# Altium PCB AMP.PcbDoc (part 5 of 5)
Units mil, origin at the board's own origin, x right, y up, seen from the top; angles counter-clockwise.
Board outline 6850 x 4750 mil, 6 copper layers (Top Layer, InternalPlane1, MidLayer1, InternalPlane2, InternalPlane3, Bottom Layer); 484 components, 340 nets, 1840 pads, 888 vias.
Unrouted connection lines stored in the file: 22.
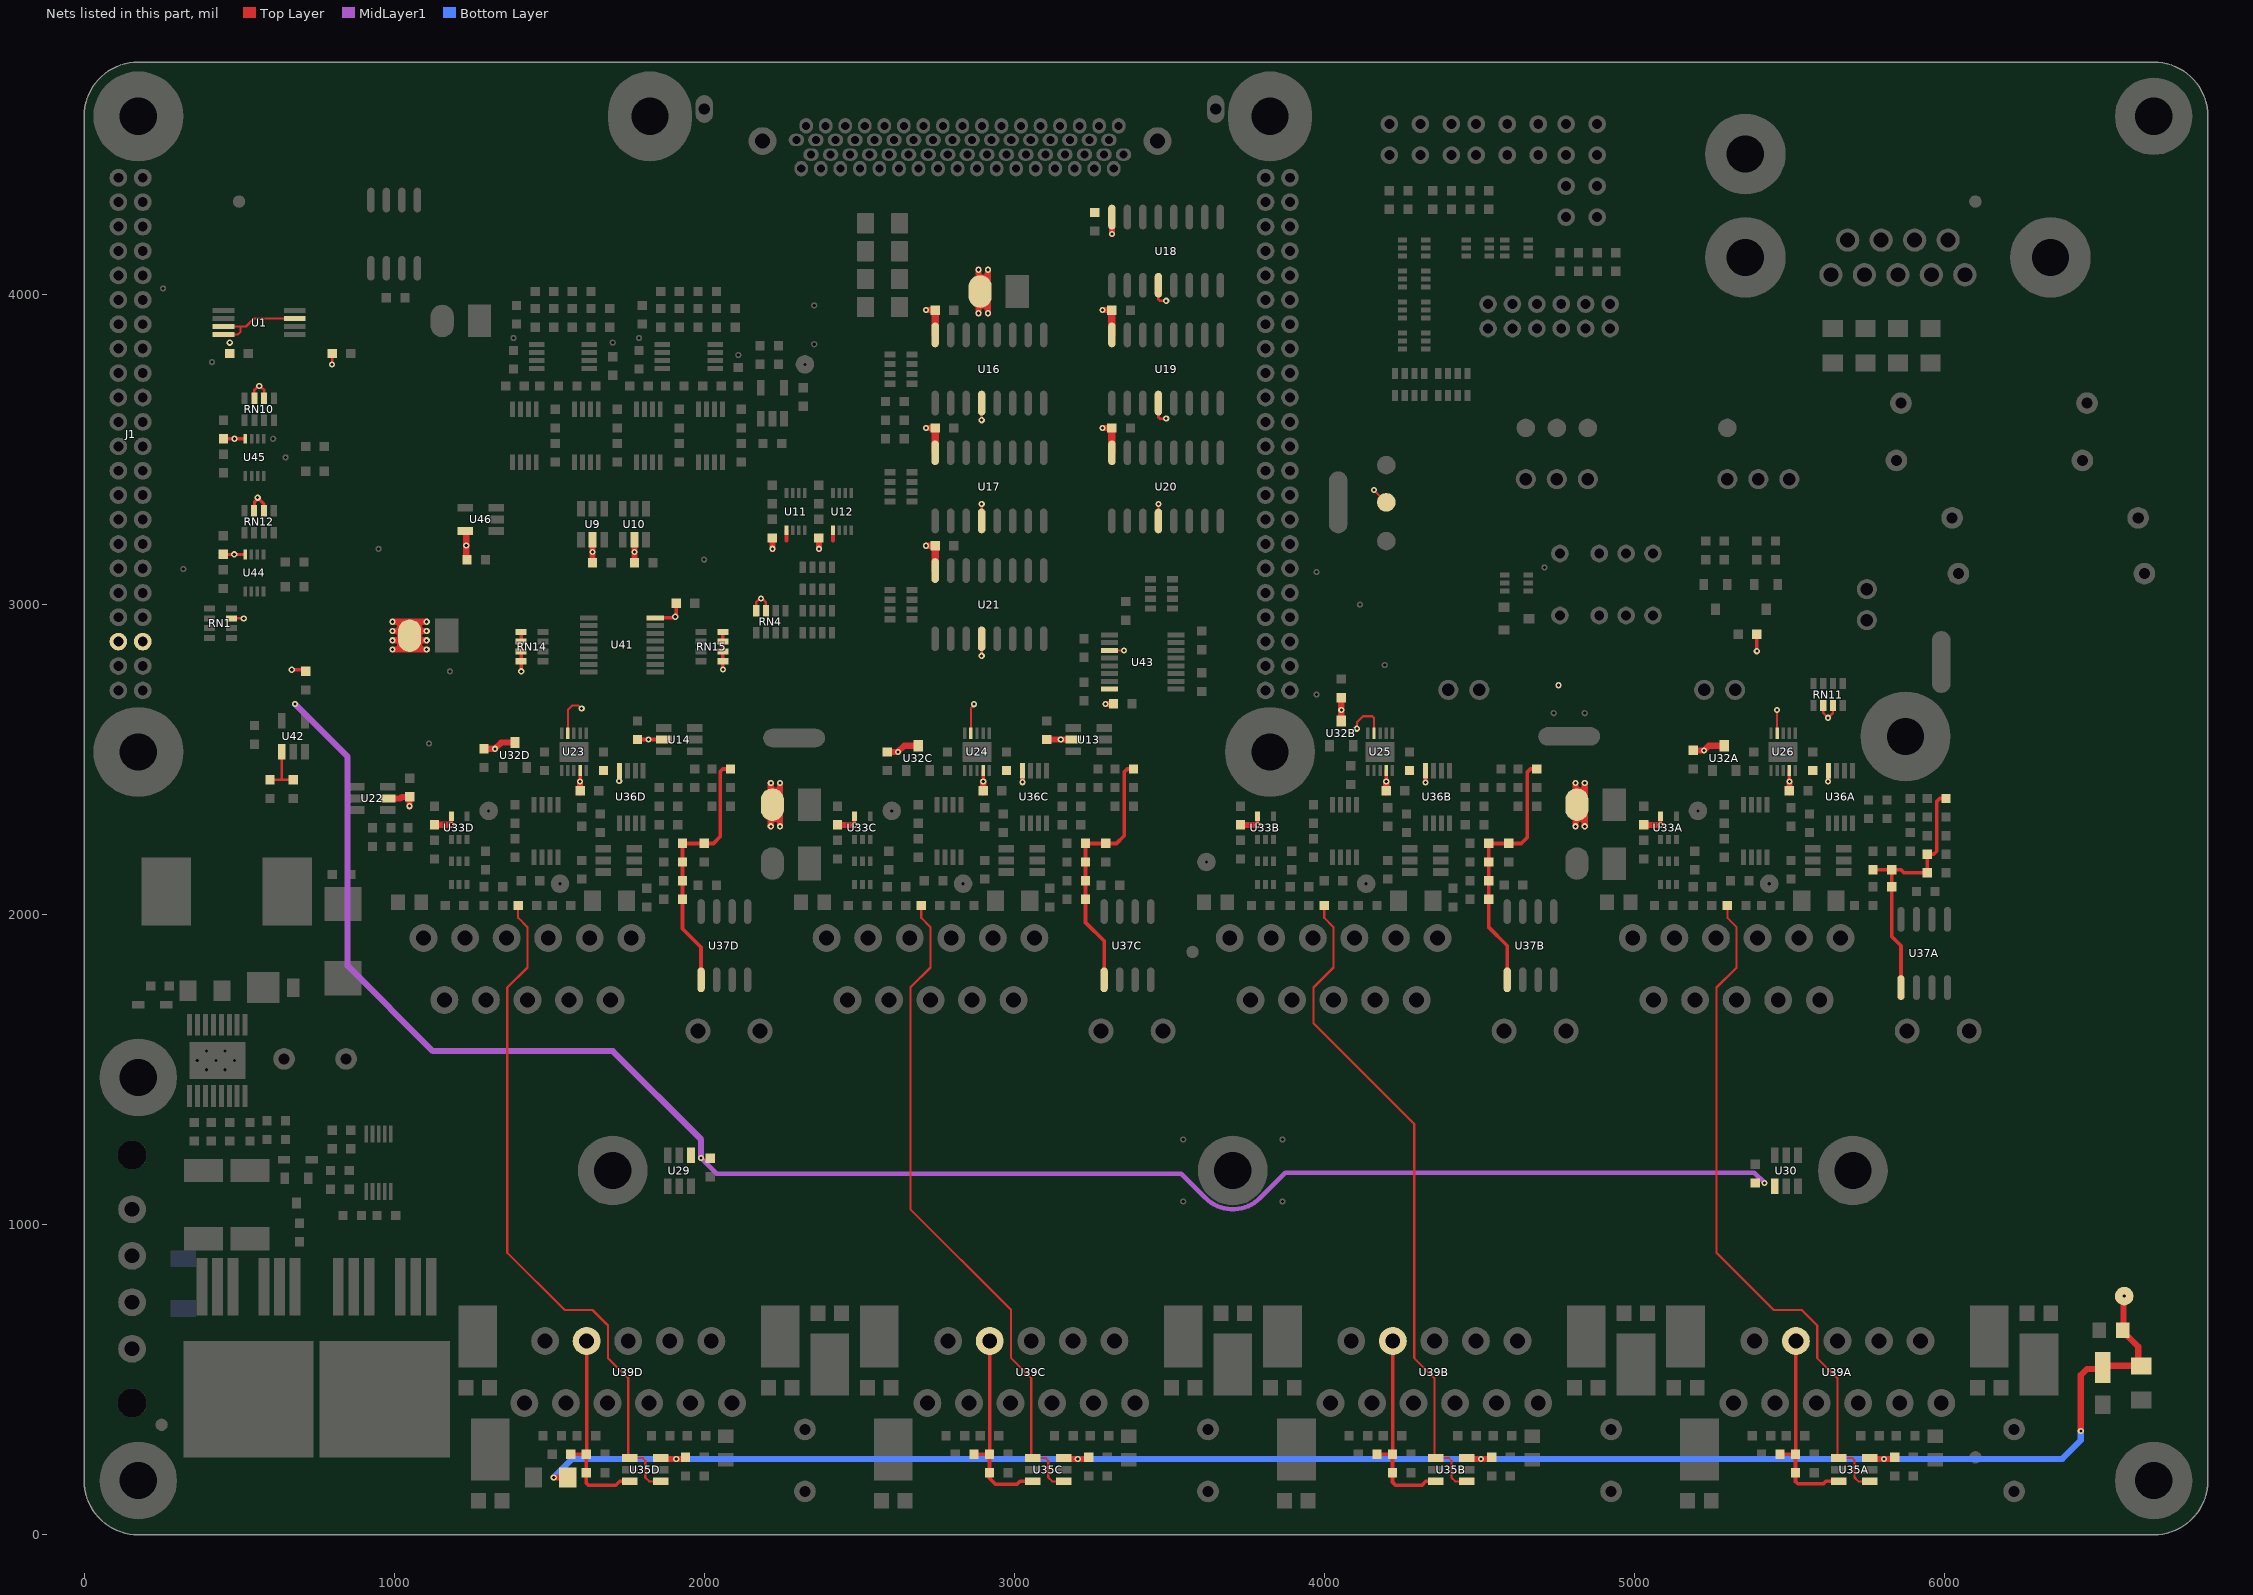
[diagram p9: the nets of this part, all layers, seen from the top]

## Via types
v1: diameter 20, hole 10, Top Layer to Bottom Layer, tented both sides, 888 vias

## Nets (pads, with @x,y where several pads share a name; then routed paths per layer and width w, separated by ;. In a path a pad name is that pad's centre, name@x,y a point inside that pad or via, vN(x,y) a via of type N, cw(c..) or ccw(c..) an arc to the next point about the centre after c; other vN are vias at no path point) (continued)
VCC3: C20.1 C21.1 C22.1 C23.1 C31.1 C44.1 C45.1 C49.1 C50.1 C51.1 C52.1 C53.1 C54.1 C56.1 C57.1 C58.1 C59.1 C60.1 C61.1 C62.1 C63.1 C64.1 C76A.1 C76B.1 C76C.1 C76D.1 C77A.1 C77B.1 C77C.1 C77D.1 C81A.1 C81B.1 C81C.1 C81D.1 C87.1 C88.1 C92.1 C96.1 C101.1 C103.1 C105.1 J1.39 J1.40 pad.0@4200,3330 R29.1 R71.1 R72.1 RN1.3 RN4.7 RN4.8 RN10.6 RN10.7 RN11.6 RN11.7 RN12.6 RN12.7 RN14.5 RN14.6 RN14.7 RN14.8 RN15.1 RN15.2 RN15.3 RN15.4 U1.3 U1.7 U1.8 U9.5 U10.5 U11.1 U12.1 U13.5 U14.5 U16.4 U16.16 U17.4 U17.16 U18.4 U18.16 U19.4 U19.16 U20.4 U20.16 U21.4 U21.16 U22.5 U23.4 U23.9 U24.4 U24.9 U25.4 U25.9 U26.4 U26.9 U29.1 U30.1 U32A.3 U32B.3 U32C.3 U32D.3 U33A.5 U33B.5 U33C.5 U33D.5 U36A.8 U36B.8 U36C.8 U36D.8 U41.16 U43.11 U43.16 U44.8 U45.8 U46.5 | length 12183.3
  Top Layer w6: v1(2895,3595) U16.4@2895,3650
  Top Layer w7: U1.8@450,3871.61 496.61,3871.61 505,3880 505,3897.2 ; U1.7@450,3897.2 505,3897.2 ; U1.3@680,3922.79 547.79,3922.79 522.2,3897.2 505,3897.2 ; U23.4@1560.31,2585 1560.31,2660.32 1575,2675 1593.73,2675 1603.73,2665 v1(1605,2665) ; U24.4@2860.32,2585 2860.32,2665.53 2870,2675.21 v1(2870,2679) ; v1(2895,2835) U21.4@2895,2890 ; U17.4@2895,3270 v1(2895,3325) ; U43.11@3307.75,2852.5 v1(3353.98,2852.5) ; U20.4@3465,3270 v1(3465,3325) ; v1(4105,2600) 4105,2620 4125,2640 4155,2640 4160.32,2634.68 U25.4@4160.32,2585 ; v1(4160,3370) pad.0@4200,3330 ; v1(5460,2660) 5460.32,2659.68 U26.4@5460.32,2585
  Top Layer w8: RN1.3@475.5,2955.75 v1(515,2955.75) ; RN10.7@549.25,3665.5 549.25,3692.76 v1@561.5,3705 ; v1@568.5,3705 580.75,3692.76 RN10.6@580.75,3665.5 ; RN12.6@575.51,3309.11 RN12.6@577.99,3306.63 ; v1(800,3775) R29.1@800,3810 ; RN4.8@2167.76,2980.5 2167.76,3007.76 v1@2180,3020 ; v1@2187.01,3020 2199.25,3007.76 RN4.7@2199.25,2980.5 ; U19.4@3465,3650 3465,3605 3470,3600 v1(3490,3600) ; U18.4@3465,4035 U18.4@3465,4030 3465,3985 3470,3980 v1(3490,3980) ; RN11.6@5609.25,2674.5 5609.25,2650.75 v1(5625,2635) 5640.75,2650.75 RN11.7@5640.75,2674.5
  Top Layer w10: C101.1@449.25,3162.38 U44.8@519.72,3162.38 ; C103.1@450,3535 U45.8@520.47,3535 ; RN12.7@548.5,3302.88 550,3304.37 550,3332.29 560,3342.29 v1(560,3345) 580,3325 RN12.6@580,3302.88
  Top Layer w11: U23.9@1599.69,2465 1599.69,2430.32 v1(1600,2430) ; U25.9@4199.68,2465 4199.68,2430.32 v1(4200,2430) ; U26.9@5499.68,2465 5499.68,2430.32 v1(5500,2430)
  Top Layer w11.5: v1(670,2790) 710,2790 R71.1@715,2785 ; RN14.5@1409.5,2912.24 RN14.6@1409.5,2880.75 RN14.7@1409.5,2849.25 RN14.8@1409.5,2817.76 1410,2817.26 v1(1410,2785) ; C58.1@1785,2565 v1(1820,2565) U14.5@1870,2565 ; U41.16@1840,2958.75 1841.25,2957.5 U41.16@1842.25,2957.5 1903.26,2957.5 1910,2964.24 C92.1@1910,3005 ; v1@2060,2790 v1(2060.5,2790.5) RN15.1@2060.5,2817.76 RN15.2@2060.5,2849.25 RN15.3@2060.5,2880.75 RN15.4@2060.5,2912.24 ; 2265.47,3205.75 U11.1@2265.47,3240 ; 2415.47,3205.75 U12.1@2415.47,3240 ; U36C.8@3026.56,2464.94 U36C.8@3026.61,2465 ; v1(5395,2850) R72.1@5395,2905
  Top Layer w12: v1(1184.41,2289.41) U33D.5@1184.41,2317.5 ; U36D.8@1725.81,2464.19 U36D.8@1726.61,2465 ; v1(2484.41,2289.41) U33C.5@2484.41,2317.5 ; U24.9@2899.68,2465 2899.68,2430.32 v1(2900,2430) ; v1@3026.56,2427.67 v1@3026.61,2427.61 ; v1(3784.41,2289.41) U33B.5@3784.41,2317.5 ; v1(5084.41,2289.41) U33A.5@5084.41,2317.5
  Top Layer w14: v1(1725.81,2430.81) U36D.8@1725.81,2464.19 ; v1@3026.56,2427.67 U36C.8@3026.56,2464.94 ; v1(4326.61,2426.61) U36B.8@4326.61,2465 ; v1(5625,2430) 5625.61,2430.61 5625.61,2464 U36A.8@5626.61,2465
  Top Layer w20: U22.5@980,2375 1020,2375 1025,2380 C56.1@1050,2380 ; v1(995,2855) 1005,2855 ; v1(995,2885) 1005,2885 ; v1(995,2915) 1005,2915 ; v1(995,2945) 1005,2945 ; C21.1@1045,2885 1005,2885 ; C21.1@1045,2915 1005,2915 ; v1(1050,2350) C56.1@1050,2375 ; C21.1@1055,2885 v1@1095,2885 ; C21.1@1055,2915 v1@1095,2915 ; v1(1105,2855) v1@1095,2855 ; v1(1105,2885) v1@1095,2885 ; v1(1105,2915) v1@1095,2915 ; v1(1105,2945) v1@1095,2945 ; C76D.1@1130,2290 1183.82,2290 v1(1184.41,2289.41) ; U46.5@1230,3237.5 1232.5,3235 1232.5,3147.5 C105.1@1235,3145 ; C77D.1@1290,2535 v1(1325,2535) 1345,2555 U32D.3@1390,2555 ; C57.1@1600,2395 v1(1600,2430) ; C44.1@1640,3135 v1(1640,3170) U9.5@1640,3205 ; C45.1@1775,3135 v1(1775,3170) U10.5@1775,3205 ; v1(2215,2285) 2215,2295 ; C22.1@2215,2335 2215,2295 ; C22.1@2215,2375 2215,2415 ; v1(2215,2425) 2215,2415 ; v1(2220,3180) C87.1@2220,3215 ; v1(2245,2285) 2245,2295 ; C22.1@2245,2335 2245,2295 ; C22.1@2245,2375 2245,2415 ; v1(2245,2425) 2245,2415 ; v1(2370,3180) C88.1@2370,3215 ; C76C.1@2430,2290 2430.59,2289.41 v1(2484.41,2289.41) ; C77C.1@2590,2525 v1(2625,2525) 2645,2545 U32C.3@2690,2545 ; v1(2715,3190) C51.1@2745,3190 ; v1(2715,3570) C50.1@2745,3570 ; v1(2715,3950) C49.1@2745,3950 ; v1(2885,3940) 2885,3950 ; C20.1@2885,3990 2885,3950 ; C20.1@2885,4030 2885,4070 ; v1(2885,4080) 2885,4070 ; C59.1@2900,2395 v1(2900,2430) ; v1(2915,3940) 2915,3950 ; C20.1@2915,3990 2915,3950 ; C20.1@2915,4030 2915,4070 ; v1(2915,4080) 2915,4070 ; C60.1@3105,2565 v1(3150,2565) U13.5@3185,2565 ; v1(3285,3570) C54.1@3315,3570 ; v1(3285,3950) C53.1@3315,3950 ; v1(3294,2680) C96.1@3320,2680 ; v1(3315,4195) U18.16@3315,4250 ; C76B.1@3730,2290 3730.59,2289.41 v1(3784.41,2289.41) ; U32B.3@4055,2625 v1(4055,2660) C77B.1@4055,2700 ; C61.1@4200,2395 v1(4200,2430) ; v1(4810,2285) 4810,2295 ; C23.1@4810,2335 4810,2295 ; C23.1@4810,2375 4810,2415 ; v1(4810,2425) 4810,2415 ; v1(4840,2285) 4840,2295 ; C23.1@4840,2335 4840,2295 ; C23.1@4840,2375 4840,2415 ; v1(4840,2425) 4840,2415 ; C76A.1@5030.59,2289.41 v1(5084.41,2289.41) ; C77A.1@5190,2530 v1(5225,2530) 5240,2545 U32A.3@5290,2545 ; C62.1@5500,2395 v1(5500,2430) ; 1005,2855 ccw(c1005,2870) 1005,2885 ; 1005,2855 v1@1095,2855 ; 1005,2885 ccw(c1005,2900) 1005,2915 ; 1005,2915 ccw(c1005,2930) 1005,2945 ; 1005,2945 v1@1095,2945 ; v1@1095,2855 cw(c1095,2870) v1@1095,2885 ; v1@1095,2885 cw(c1095,2900) v1@1095,2915 ; v1@1095,2915 cw(c1095,2930) v1@1095,2945 ; 2215,2295 cw(c2230,2295) 2245,2295 ; 2215,2415 ccw(c2230,2415) 2245,2415 ; 2885,3950 cw(c2900,3950) 2915,3950 ; 2885,4070 ccw(c2900,4070) 2915,4070 ; 4810,2295 cw(c4825,2295) 4840,2295 ; 4810,2415 ccw(c4825,2415) 4840,2415
  Top Layer w24: U21.16@2745,3110 C51.1@2745,3190 ; U17.16@2745,3490 C50.1@2745,3570 ; U16.16@2745,3870 C49.1@2745,3950 ; U20.16@3315,3490 C54.1@3315,3570 ; U19.16@3315,3870 C53.1@3315,3950
  MidLayer1 w15: v1(1990,1215) 2040,1165 3538.22,1165 3616.61,1086.61 ccw(c3705,1175) 3793.39,1086.61 3874.78,1168 5387,1168 v1(5420,1135)
  MidLayer1 w20: v1(680,2680) 850,2510 850,1835 1125,1560 1705,1560 1990,1275 v1(1990,1215)
  other v1: 3026.5,2427.5 4755,2740 1906.63,2960.87 2183.51,3020 484.49,3162.38 1232.5,3191.25 485.24,3535 565,3705 470,3845
VM/2-BUFA: R49A.2 U35A.1 U35A.4 | length 2206.5
  Top Layer w7: R49A.2@5300,2030 5300,1990 5330,1960 5330,1830 5265,1765 5265,910 5450,725 5540,725 5590,675 5590,570 5655,505 5655,252.5 U35A.1@5660,247.5 5702.5,247.5 5704.98,245.02 5710,240 5710,185 5722.5,172.5 U35A.4@5760,172.5 U35A.4@5765,172.5
VM/2-BUFB: R49B.2 U35B.1 U35B.4 | length 2153.7
  Top Layer w7: R49B.2@4000,2030 4000,1990 4030,1960 4030,1830 3965,1765 3965,1650 4290,1325 4290,570 4355,505 4355,252.5 U35B.1@4360,247.5 4402.5,247.5 4404.98,245.02 4410,240 4410,185 4422.5,172.5 U35B.4@4460,172.5 U35B.4@4465,172.5
VM/2-BUFC: R49C.2 U35C.1 U35C.4 | length 2153.7
  Top Layer w7: R49C.2@2700,2030 2700,1990 2730,1960 2730,1830 2665,1765 2665,1050 2990,725 2990,570 3055,505 3055,252.5 U35C.1@3060,247.5 3102.5,247.5 3104.98,245.02 3110,240 3110,185 3122.5,172.5 U35C.4@3160,172.5 U35C.4@3165,172.5
VM/2-BUFD: R49D.2 U35D.1 U35D.4 | length 2206.5
  Top Layer w7: R49D.2@1400,2030 1400,1990 1430,1960 1430,1830 1365,1765 1365,910 1550,725 1640,725 1690,675 1690,570 1755,505 1755,252.5 U35D.1@1760,247.5 1802.5,247.5 1804.98,245.02 1810,240 1810,185 1822.5,172.5 U35D.4@1860,172.5 U35D.4@1865,172.5
VM/2A: C67A.1 R59A.1 R60A.1 U35A.3 U39A.4 | length 648
  Top Layer w12: R59A.1@5470,260 R60A.1@5520,260 C67A.1@5520,200 5520,172.03 5527.03,165 5610,165 5617.5,172.5 U35A.3@5665,172.5 ; R60A.1@5521,266 U39A.4@5521,625
VM/2B: C67B.1 R59B.1 R60B.1 U35B.3 U39B.4 | length 651.9
  Top Layer w12: R59B.1@4170,260 R60B.1@4220,260 C67B.1@4220,200 4220,170 4230,160 4315,160 4327.5,172.5 U35B.3@4360,172.5 ; R60B.1@4221,266 U39B.4@4221,625 ; U35B.3@4362.5,170 U35B.3@4365,172.5
VM/2C: C67C.1 R59C.1 R60C.1 U35C.3 U39C.4 | length 639.9
  Top Layer w12: R59C.1@2870,260 R60C.1@2920,260 C67C.1@2920,200 2920,182.5 2939,163.5 3010,163.5 3019,172.5 U35C.3@3060,172.5 ; R60C.1@2921,266 U39C.4@2921,625 ; U35C.3@3063.75,168.75 U35C.3@3065,170
VM/2D: C67D.1 R59D.1 R60D.1 U35D.3 U39D.4 | length 655.1
  Top Layer w12: R59D.1@1570,260 R60D.1@1620,260 C67D.1@1620,200 1620,167.03 1627.03,160 1715,160 1727.5,172.5 U35D.3@1765,172.5 ; R60D.1@1621,266 U39D.4@1621,625
VM/21: R68.2 R69.1 U42.1 | length 165
  Top Layer w8: R68.2@600,2435 637.5,2435 ; U42.1@637.5,2525 637.5,2435 ; R69.1@675,2435 637.5,2435
VREF/2A: C69A.1 C72A.1 C90A.1 R42A.2 R50A.2 R51A.1 U37A.1 | length 859.9
  Top Layer w12: R51A.1@5770,2145 C72A.1@5830,2145 ; U37A.1@5860,1765 5860,1900 5830,1930 R42A.2@5830,2090 C72A.1@5830,2145 ; C90A.1@6005,2375 5985,2375 5975,2365 5975,2205 5965,2195 R50A.2@5945,2195 C69A.1@5945,2135 5870,2135 5860,2145 C72A.1@5830,2145
VREF/2B: C69B.1 C72B.1 C90B.1 R42B.2 R50B.2 R51B.1 U37B.1 | length 842.3
  Top Layer w12: U37B.1@4590,1790 4590,1900 4530,1960 C69B.1@4530,2110 R42B.2@4530,2170 C72B.1@4530,2230 R51B.1@4595,2230 4635,2230 4655,2250 4655,2460 4665,2470 C90B.1@4685,2470
VREF/2C: C69C.1 C72C.1 C90C.1 R42C.2 R50C.2 R51C.1 U37C.1 | length 839.4
  Top Layer w12: U37C.1@3290,1790 3290,1915 3230,1975 R50C.2@3230,2050 C69C.1@3230,2110 R42C.2@3230,2170 C72C.1@3230,2230 3330,2230 3355,2255 3355,2460 3365,2470 C90C.1@3385,2470
VREF/2D: C69D.1 C72D.1 C90D.1 R42D.2 R50D.2 R51D.1 U37D.1 | length 842.3
  Top Layer w12: U37D.1@1990,1790 1990,1895 1930,1955 R50D.2@1930,2050 C69D.1@1930,2110 R42D.2@1930,2170 C72D.1@1930,2230 R51D.1@2000,2230 2030,2230 2052,2252 2052,2462 2060,2470 C90D.1@2085,2470
Vs: C91A.1 C91B.1 C91C.1 C91D.1 C94.1 C95.1 D13.1 pad. R70.1 U35A.6 U35B.6 U35C.6 U35D.6 | length 5990.4
  Top Layer w20: v1(1515,185) C94.1@1560,185 ; U35D.6@1865,247.5 1867.5,245 v1(1910,245) 1935,245 C91D.1@1940,250 ; U35C.6@3165,245 v1(3205,245) 3235,245 C91C.1@3240,250 ; U35B.6@4465,247.5 4467.5,245 v1(4505,245) 4535,245 C91B.1@4540,250 ; U35A.6@5765,247.5 5767.5,245 v1(5805,245) 5835,245 C91A.1@5840,250 ; v1(6440,335) 6440,515 6460,535 6505,535 D13.1@6510,540 ; D13.1@6510,530 6525,545 6625,545 6625,607 6575,657 R70.1@6575,660 6577.5,662.5 6577.5,767.5 pad.@6580,770
  Bottom Layer w20: v1(1515,185) 1575,245 v1(1910,245) v1(3205,245) v1(4505,245) 6380,245 6440,305 v1(6440,335)
pads on no net: D2.1 D2.4 D4.3 FD1.0 FD2.0 FD3.0 FD4.0 FD5.0 J2.44 J5.5 J5.6 RN1.4 RN1.5 U26.1 U27.3 U27.5 U27.7 U27.13 U27.15 U28.8 U29.3 U30.3 U31.2 U31.7 U37A.5 U37A.8 U37B.5 U37B.8 U37C.5 U37C.8 U37D.5 U37D.8 U43.10

## Polygon pours and split planes (outlines as drawn)
GND on Bottom Layer "Mid1" (hatched 90Degree grid 19 track 20, remove dead copper, pour order 3): 0,0 0,4750 6850,4750 6850,0
GND on MidLayer1 "Mid1" (hatched 90Degree grid 19 track 20, remove dead copper, pour order 4): 0,0 0,4750 6850,4750 6850,0
12V on InternalPlane2 (split plane): 5992.44,2911.87 5992.44,2198.13 5776.87,1982.56 1070,1982.56 1068.04,1982.31 1066.22,1981.55 1064.65,1980.35 1041.87,1957.56 877.56,1957.56 877.56,2132.44 3445,2132.44 5668.28,2132.44 5670.24,2132.69 5671.31,2133.14 5672.07,2133.45 5673.63,2134.65 5749.49,2210.51 5749.51,2210.49 5752.32,2213.79 5754.58,2217.48 5756.23,2221.48 5757.25,2225.69 5757.58,2230 5757.25,2234.32 5756.23,2238.52 5754.58,2242.52 5752.32,2246.21 5749.51,2249.51 5749.49,2249.49 5503.63,2495.35 5502.07,2496.55 5501.31,2496.86 5500.24,2497.31 5498.28,2497.56 4478.13,2497.56 4157.56,2818.13 4157.56,3086.87 4203.13,3132.44 5771.87,3132.44
GND on InternalPlane2 (split plane): 151 vertices, not listed, extent 20.03,20.03 6829.97,4729.97
VCC3 on InternalPlane2 (split plane): 1272.44,3391.87 1272.44,2853.13 1076.87,2657.56 20.1,2657.56 20.1,4014.88 221.14,4014.88 235.51,4000.51 235.49,4000.49 238.79,3997.68 242.48,3995.42 246.48,3993.77 250.68,3992.75 255,3992.42 259.32,3992.75 263.52,3993.77 267.52,3995.42 271.21,3997.68 274.51,4000.49 274.49,4000.51 288.86,4014.88 649.43,4014.88
V-ENC3/4 on InternalPlane2 (split plane): 3198.83,4430.09 3202.49,4429.21 3205.96,4427.77 3209.17,4425.81 3212.03,4423.37 3214.47,4420.51 3216.44,4417.3 3217.88,4413.82 3218.75,4410.17 3219.02,4406.82 3218.99,4406.42 3219.01,4406.42 3219.01,4329.71 3131.87,4242.56 2425,4242.56 2423.04,4242.31 2421.22,4241.55 2419.65,4240.35 2386.87,4207.56 932.56,4207.56 932.56,4292.44 3035,4292.44 3036.96,4292.69 3038.03,4293.14 3038.78,4293.45 3040.35,4294.65 3105.94,4360.24 3107.14,4361.81 3107.9,4363.63 3108.16,4365.59 3108.16,4406.42 3108.17,4406.42 3108.15,4406.82 3108.41,4410.17 3109.29,4413.82 3110.73,4417.3 3112.69,4420.51 3115.14,4423.37 3118,4425.81 3121.2,4427.77 3124.68,4429.21 3128.34,4430.09 3132.09,4430.39 3135.84,4430.09 3139.49,4429.21 3142.97,4427.77 3146.18,4425.81 3149.04,4423.37 3151.48,4420.51 3153.44,4417.3 3154.88,4413.82 3155.76,4410.17 3156.03,4406.82 3156,4406.42 3156.02,4406.42 3156.28,4404.46 3157.03,4402.64 3158.23,4401.07 3159.8,4399.87 3161.62,4399.11 3163.58,4398.85 3165.54,4399.11 3167.36,4399.87 3168.93,4401.07 3170.13,4402.64 3170.89,4404.46 3171.15,4406.42 3171.17,4406.42 3171.14,4406.82 3171.4,4410.17 3172.28,4413.82 3173.72,4417.3 3175.69,4420.51 3178.13,4423.37 3180.99,4425.81 3184.2,4427.77 3187.67,4429.21 3191.33,4430.09 3195.08,4430.39
V-ENC1/2 on InternalPlane2 (split plane): 3072.84,4430.09 3076.5,4429.21 3079.98,4427.77 3083.18,4425.81 3086.04,4423.37 3088.49,4420.51 3090.45,4417.3 3091.89,4413.82 3092.77,4410.17 3093.03,4406.82 3093.01,4406.42 3093.03,4406.42 3093.03,4368.72 3031.87,4307.56 932.56,4307.56 932.56,4417.44 2211.87,4417.44 2269.65,4359.65 2271.22,4358.45 2273.04,4357.69 2273.27,4357.66 2275,4357.44 2960,4357.44 2961.96,4357.69 2963.03,4358.14 2963.78,4358.45 2965.35,4359.65 2979.95,4374.26 2979.96,4374.26 2981.16,4375.82 2981.91,4377.65 2982.17,4379.61 2982.17,4406.42 2982.15,4406.6 2982.43,4410.17 2983.31,4413.82 2984.75,4417.3 2986.71,4420.51 2989.15,4423.37 2992.01,4425.81 2995.22,4427.77 2998.7,4429.21 3002.35,4430.09 3006.1,4430.39 3009.85,4430.09 3013.51,4429.21 3016.98,4427.77 3020.19,4425.81 3023.05,4423.37 3025.49,4420.51 3027.46,4417.3 3028.9,4413.82 3029.78,4410.17 3030.04,4406.82 3030.01,4406.42 3030.03,4406.42 3030.29,4404.46 3031.05,4402.64 3032.25,4401.07 3033.82,4399.87 3035.64,4399.11 3037.6,4398.85 3039.56,4399.11 3041.38,4399.87 3042.95,4401.07 3044.15,4402.64 3044.91,4404.46 3045.16,4406.42 3045.18,4406.42 3045.16,4406.82 3045.42,4410.17 3046.3,4413.82 3047.74,4417.3 3049.7,4420.51 3052.15,4423.37 3055.01,4425.81 3058.21,4427.77 3061.69,4429.21 3065.34,4430.09 3069.09,4430.39
V-REF4 on InternalPlane2 (split plane): 3307.44,2751.87 3307.44,2678.13 3121.87,2492.56 2670,2492.56 2668.04,2492.31 2666.22,2491.55 2664.65,2490.35 2574.65,2400.35 2573.45,2398.78 2573.14,2398.03 2572.69,2396.96 2572.44,2395 2572.44,2147.56 1287.56,2147.56 1287.56,2391.87 1373.13,2477.44 2415,2477.44 2416.96,2477.69 2418.03,2478.14 2418.78,2478.45 2420.35,2479.65 2728.13,2787.44 3271.87,2787.44
V-REF1 on InternalPlane2 (split plane): 4469.65,2484.65 4471.22,2483.45 4471.97,2483.14 4473.04,2482.69 4475,2482.44 5495.15,2482.44 5738.79,2238.79 5738.88,2238.73 5740.36,2236.92 5741.51,2234.77 5742.22,2232.43 5742.46,2230 5742.22,2227.57 5741.51,2225.23 5740.36,2223.08 5738.88,2221.27 5738.79,2221.21 5665.15,2147.56 4597.56,2147.56 4597.56,2235 4597.31,2236.96 4596.86,2238.03 4596.55,2238.78 4595.35,2240.35 4330.35,2505.35 4328.78,2506.55 4328.03,2506.86 4326.96,2507.31 4325,2507.56 3768.13,2507.56 3547.56,2728.13 3547.56,2786.87 3568.13,2807.44 4146.87,2807.44
V-REF3 on InternalPlane2 (split plane): 3442.44,2148.13 3441.87,2147.56 2587.56,2147.56 2587.56,2391.87 2673.13,2477.44 3125,2477.44 3126.96,2477.69 3128.03,2478.14 3128.78,2478.45 3130.35,2479.65 3320.35,2669.65 3321.55,2671.22 3321.86,2671.97 3322.31,2673.04 3322.56,2675 3322.56,2755 3322.31,2756.96 3321.55,2758.78 3320.35,2760.35 3280.35,2800.35 3278.78,2801.55 3278.03,2801.86 3276.96,2802.31 3275,2802.56 3232.56,2802.56 3232.56,2831.87 3268.13,2867.44 3442.44,2867.44
2.5V on InternalPlane2 (split plane): 3122.44,2897.56 2667.56,2897.56 2667.56,3862.44 3122.44,3862.44
V-REF2 on InternalPlane2 (split plane): 3597.44,2851.87 3597.44,2822.56 3565,2822.56 3563.04,2822.31 3561.22,2821.55 3559.65,2820.35 3534.65,2795.35 3533.45,2793.78 3533.14,2793.03 3532.69,2791.96 3532.44,2790 3532.44,2725 3532.69,2723.04 3533.14,2721.97 3533.45,2721.22 3534.65,2719.65 3759.65,2494.65 3761.22,2493.45 3763.04,2492.69 3765,2492.44 4321.87,2492.44 4582.44,2231.87 4582.44,2147.56 3457.56,2147.56 3457.56,2867.44 3581.87,2867.44
V-POT on InternalPlane2 (split plane): 3324.81,4430.09 3328.47,4429.21 3331.95,4427.77 3335.15,4425.81 3338.01,4423.37 3340.46,4420.51 3342.42,4417.3 3343.86,4413.82 3344.74,4410.17 3345.02,4406.6 3344.99,4406.42 3344.99,4355.69 3161.87,4172.56 2565,4172.56 2563.04,4172.31 2561.22,4171.55 2559.65,4170.35 2419.65,4030.35 2418.45,4028.78 2418.14,4028.03 2417.69,4026.96 2417.44,4025 2417.44,3823.13 2206.87,3612.56 1467.56,3612.56 1467.56,3677.44 2120,3677.44 2121.96,3677.69 2123.03,3678.14 2123.78,3678.45 2125.35,3679.65 2260.35,3814.65 2280.35,3834.65 2281.55,3836.22 2282.31,3838.04 2282.56,3840 2282.56,4192.44 2390,4192.44 2391.96,4192.69 2393.03,4193.14 2393.78,4193.45 2395.35,4194.65 2428.13,4227.44 3135,4227.44 3136.96,4227.69 3138.03,4228.14 3138.78,4228.45 3140.35,4229.65 3231.92,4321.23 3233.13,4322.79 3233.88,4324.62 3234.14,4326.57 3234.14,4326.58 3234.14,4406.42 3234.16,4406.42 3234.13,4406.82 3234.4,4410.17 3235.27,4413.82 3236.71,4417.3 3238.68,4420.51 3241.12,4423.37 3243.98,4425.81 3247.19,4427.77 3250.66,4429.21 3254.32,4430.09 3258.07,4430.39 3261.82,4430.09 3265.48,4429.21 3268.95,4427.77 3272.16,4425.81 3275.02,4423.37 3277.46,4420.51 3279.43,4417.3 3280.87,4413.82 3281.75,4410.17 3282.01,4406.82 3281.98,4406.42 3282,4406.42 3282.26,4404.46 3283.02,4402.64 3284.22,4401.07 3285.78,4399.87 3287.61,4399.11 3289.57,4398.85 3291.52,4399.11 3293.35,4399.87 3294.92,4401.07 3296.12,4402.64 3296.87,4404.46 3297.13,4406.42 3297.15,4406.42 3297.12,4406.82 3297.39,4410.17 3298.27,4413.82 3299.71,4417.3 3301.67,4420.51 3304.11,4423.37 3306.97,4425.81 3310.18,4427.77 3313.66,4429.21 3317.31,4430.09 3321.06,4430.39
GND on InternalPlane1 (split plane): 6686.06,4729.6 6697.06,4728.42 6707.95,4726.46 6718.67,4723.72 6729.17,4720.23 6739.39,4715.99 6749.28,4711.04 6758.8,4705.39 6767.89,4699.08 6776.5,4692.14 6784.6,4684.6 6792.14,4676.5 6799.08,4667.89 6805.39,4658.8 6811.04,4649.28 6815.99,4639.39 6820.23,4629.17 6823.72,4618.67 6826.46,4607.95 6828.42,4597.06 6829.6,4586.06 6829.97,4575.71 6829.9,4575 6829.9,175 6829.97,174.29 6829.6,163.94 6828.42,152.94 6826.46,142.05 6823.72,131.33 6820.23,120.83 6815.99,110.61 6811.04,100.72 6805.39,91.2 6799.08,82.11 6792.14,73.5 6784.6,65.4 6776.5,57.86 6767.89,50.92 6758.8,44.61 6749.28,38.96 6739.39,34.01 6729.17,29.77 6718.67,26.28 6707.95,23.54 6697.06,21.58 6686.06,20.4 6675.71,20.03 6675,20.1 175,20.1 174.29,20.03 163.94,20.4 152.94,21.58 142.05,23.54 131.33,26.28 120.83,29.77 110.61,34.01 100.72,38.96 91.2,44.61 82.11,50.92 73.5,57.86 65.4,65.4 57.86,73.5 50.92,82.11 44.61,91.2 38.96,100.72 34.01,110.61 29.77,120.83 26.28,131.33 23.54,142.05 21.58,152.94 20.4,163.94 20.03,174.29 20.1,175 20.1,4575 20.03,4575.71 20.4,4586.06 21.58,4597.06 23.54,4607.95 26.28,4618.67 29.77,4629.17 34.01,4639.39 38.96,4649.28 44.61,4658.8 50.92,4667.89 57.86,4676.5 65.4,4684.6 73.5,4692.14 82.11,4699.08 91.2,4705.39 100.72,4711.04 110.61,4715.99 120.83,4720.23 131.33,4723.72 142.05,4726.46 152.94,4728.42 163.94,4729.6 174.29,4729.97 175,4729.9 6675,4729.9 6675.71,4729.97
V-MOTOR on InternalPlane3 (split plane): 4488.28,2012.44 6061.87,2012.44 6402.44,1671.87 6402.44,20.1 175,20.1 174.29,20.03 163.94,20.4 152.94,21.58 142.05,23.54 131.33,26.28 120.83,29.77 110.61,34.01 100.72,38.96 91.2,44.61 82.11,50.92 73.5,57.86 65.4,65.4 57.86,73.5 50.92,82.11 44.61,91.2 38.96,100.72 34.01,110.61 29.77,120.83 26.28,131.33 23.54,142.05 21.58,152.94 20.4,163.94 20.03,174.29 20.1,175 20.1,1317.44 380,1317.44 381.96,1317.69 383.03,1318.14 383.78,1318.45 385.35,1319.65 405.35,1339.65 406.55,1341.22 407.31,1343.04 407.56,1345 407.56,1395 407.31,1396.96 406.55,1398.78 405.35,1400.35 342.56,1463.13 342.56,1776.87 563.13,1997.44 965,1997.44 966.96,1997.69 968.03,1998.14 968.78,1998.45 970.35,1999.65 983.13,2012.44 1888,2012.44 1888.14,2012.45 1888.28,2012.44 3188,2012.44 3188.14,2012.45 3188.28,2012.44 4488,2012.44 4488.14,2012.45